# KiCad board pbx-sniffer-v2.kicad_pcb (continued)
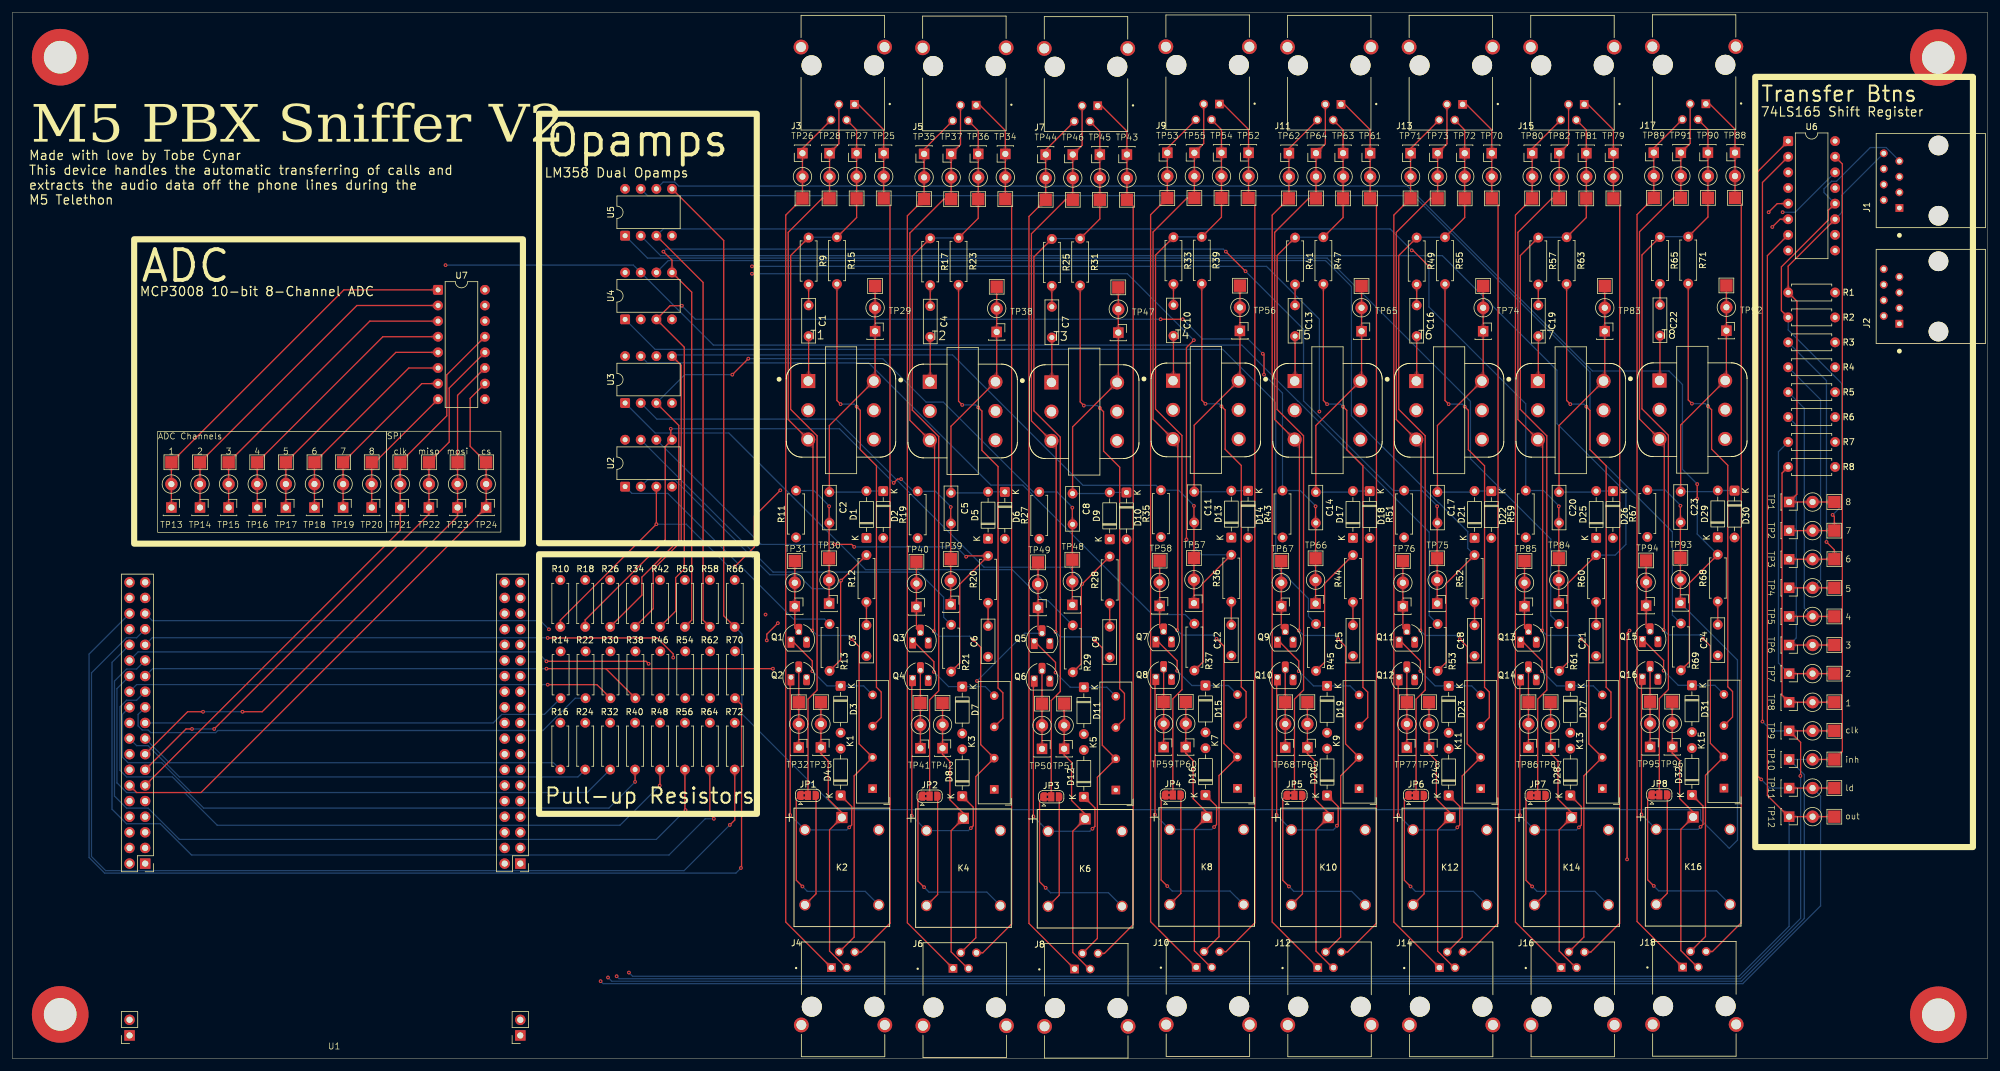
[diagram p0: board, top side]
## Library data of the parts
C1-C24 = -: Description: Unpolarized capacitor; KiLib_Generator: capacitor/THT/other; ki_fp_filters: C_*
D1-D32 = -: Datasheet: https://assets.nexperia.com/documents/data-sheet/1N4148_1N4448.pdf; Description: 100V 0.15A standard switching diode, DO-35; KiLib_Generator: diode/THT; Sim.Device: D; Sim.Pins: 1=K 2=A; ki_fp_filters: D*DO?35*
H1 H1#2-H1#4 = -: KiLib_Generator: mounting_hardware/mounting_hole
J1 J2 = -: Description: RJ connector, 8P8C (8 positions 8 connected), RJ31/RJ32/RJ33/RJ34/RJ35/RJ41/RJ45/RJ49/RJ61; DKPN: 609-1046-ND; ki_fp_filters: 8P8C* RJ31* RJ32* RJ33* RJ34* RJ35* RJ41* RJ45* RJ49* RJ61*
J3-J18 = -: Description: RJ connector, 6P4C (6 positions 4 connected), RJ13/RJ14, Shielded; DKPN: 2223-CRJ050-1-TH-ND; ki_fp_filters: 6P4C* RJ13* RJ14*
JP1-JP8 = -: Description: Jumper, 3-pole, pins 1+2 closed/bridged; ki_fp_filters: Jumper* TestPoint*3Pads* TestPoint*Bridge*
K1 K3 K5 K7 K9 K11 K13 K15 = -: Description: Relay SPST, normally open, EN50005; DKPN: 1835-1116-ND; ki_fp_filters: Relay?SPST*
K2 K4 K6 K8 K10 K12 K14 K16 = -: Datasheet: https://www.azettler.com/pdfs/az943.pdf; Description: Relay SPDT, monostable, EN50005; DKPN: 3385-AZ943-1CH-5DE-ND; ki_fp_filters: Relay?SPDT*
Q1-Q16 = -: Datasheet: https://ngspice.sourceforge.io/docs/ngspice-html-manual/manual.xhtml#cha_MOSFETs; Description: P-MOSFET transistor, drain/source/gate; Sim.Type: VDMOS; Sim.Pins: 1=D 2=G 3=S; DKPN: ZVP3306A-ND
R1-R72 = -: Description: Resistor; KiLib_Generator: resistor/THT; ki_fp_filters: R_*
T1-T8 = -: Description: Transformer, single primary, single secondary; DKPN: 237-1121-ND
TP1-TP96 = -: Description: test point; ki_fp_filters: Pin* Test*
U2-U5 = -: Datasheet: http://www.ti.com/lit/ds/symlink/lm2904-n.pdf; Description: Low-Power, Dual Operational Amplifiers, DIP-8/SOIC-8/TO-99-8; KiLib_Generator: package/DIP/legacy; ki_fp_filters: SOIC*3.9x4.9mm*P1.27mm* DIP*W7.62mm* TO*99* OnSemi*Micro8* TSSOP*3x3mm*P0.65mm* TSSOP*4.4x3mm*P0.65mm* MSOP*3x3mm*P0.65mm* SSOP*3.9x4.9mm*P0.635mm* LFCSP*2x2mm*P0.5mm* *SIP* SOIC*5.3x6.2mm*P1.27mm*
U6 = -: Datasheet: https://www.ti.com/lit/ds/symlink/sn74ls165a.pdf; Description: Shift Register 8-bit, parallel load; KiLib_Generator: package/DIP/legacy; DKPN: 296-14885-5-ND; ki_fp_filters: DIP?16* SO*16*3.9x9.9mm*P1.27mm* SSOP*16*5.3x6.2mm*P0.65mm* TSSOP*16*4.4x5mm*P0.65*
U7 = -: Datasheet: http://ww1.microchip.com/downloads/en/DeviceDoc/21295d.pdf; Description: A/D Converter, 10-Bit, 8-Channel, SPI Interface , 2.7V-5.5V; KiLib_Generator: package/DIP/legacy; DKPN: MCP3008-I/P-ND; ki_fp_filters: DIP*W7.62mm* SOIC*3.9x9.9mm*P1.27mm*

## Footprints (pads in the part's own frame, mm; a bottom-side part is the same pattern mirrored in y, then rotated)
AMPHENOL_54602-908LF
  round 3.2 hole 3.2 unplated: (-5.715,0) (5.715,0)
  rect 1.268x1.268 hole 0.76: 1(-4.445,6.35)
  round 1.268 hole 0.76: 2(-3.175,8.89) 3(-1.905,6.35) 4(-0.635,8.89) 5(0.635,6.35) 6(1.905,8.89) 7(3.175,6.35) 8(4.445,8.89)
C_Rect_L7.0mm_W2.0mm_P5.00mm
  round 1.6 hole 0.8: 1(0,0) 2(5,0)
CUI_CRJ050-1-TH
  round 3.25 hole 3.25 unplated: (-5.08,0) (5.08,0)
  rect 1.398x1.398 hole 0.89: 1(-1.905,6.35)
  round 1.398 hole 0.89: 2(-0.635,8.89) 3(0.635,6.35) 4(1.905,8.89)
  round 2.4 hole 1.6: SH(-6.785,-2.97) SH(6.785,-2.97)
D_DO-35_SOD27_P7.62mm_Horizontal
  rrect 1.6x1.6 hole 0.8: 1(0,0)
  round 1.6 hole 0.8: 2(7.62,0)
DIP-8_W7.62mm
  rrect 1.6x1.6 hole 0.8: 1(0,0)
  round 1.6 hole 0.8: 2(0,-2.54) 3(0,-5.08) 4(0,-7.62) 5(7.62,-7.62) 6(7.62,-5.08) 7(7.62,-2.54) 8(7.62,0)
DIP-16_W7.62mm
  rrect 1.6x1.6 hole 0.8: 1(0,0)
  round 1.6 hole 0.8: 2(0,-2.54) 3(0,-5.08) 4(0,-7.62) 5(0,-10.16) 6(0,-12.7) 7(0,-15.24) 8(0,-17.78) 9(7.62,-17.78) 10(7.62,-15.24) 11(7.62,-12.7) 12(7.62,-10.16) 13(7.62,-7.62) 14(7.62,-5.08) 15(7.62,-2.54) 16(7.62,0)
K_AZ943-1C_AMZ
  rect 1.803x1.803 hole 1.295: 1(0,0)
  round 1.803 hole 1.295: 2(-6,-2) 3(-6,-14.199) 4(6,-14.199) 5(6,-2)
M5_3in1_TestPoint
  rect 2x2 smd: 1(1.04,-1.04)
  round 2 hole 1: 1(1.04,-4.58)
  rect 1.7x1.7 hole 1: 1(1.04,-8.39)
MountingHole_5.3mm_M5_DIN965_Pad
  round 9.2 hole 5.3: 1(0,0)
R_Axial_DIN0207_L6.3mm_D2.5mm_P7.62mm_Horizontal
  round 1.6 hole 0.8: 1(0,0) 2(7.62,0)
Relay_SPST_StandexMeder_SIL_Form1A
  rect 1.4x1.4 hole 0.7: 1(0,0)
  round 1.4 hole 0.7: 3(5.08,0) 5(10.16,0) 7(15.24,0)
SolderJumper-3_P1.3mm_Bridged2Bar12_RoundedPad1.0x1.5mm
  custom 1.05x1.5 smd: 1(-1.3,0) 3(1.3,0)
  rect 1x1.5 smd: 2(0,0)
STM32NucleoF303RE
  rect 1.7x1.7 hole 1: 1(0,-27.94) 39(0,0) 39(63.5,0) 41(60.96,-27.94)
  round 1.7 hole 1: 2(2.54,-27.94) 3(0,-30.48) 4(2.54,-30.48) 5(0,-33.02) 6(2.54,-33.02) 7(0,-35.56) 8(2.54,-35.56) 9(0,-38.1) 10(2.54,-38.1) 11(0,-40.64) 12(2.54,-40.64) 13(0,-43.18) 14(2.54,-43.18) 15(0,-45.72) 16(2.54,-45.72) 17(0,-48.26) 18(2.54,-48.26) 19(0,-50.8) 20(2.54,-50.8) 21(0,-53.34) 22(2.54,-53.34) 23(0,-55.88) 24(2.54,-55.88) 25(0,-58.42) 26(2.54,-58.42) 27(0,-60.96) 28(2.54,-60.96) 29(0,-63.5) 30(2.54,-63.5) 31(0,-66.04) 32(2.54,-66.04) 33(0,-68.58) 34(2.54,-68.58) 35(0,-71.12) 36(2.54,-71.12) 37(0,-73.66) 38(2.54,-73.66) 40(0,-2.54) 40(63.5,-2.54) 42(63.5,-27.94) 43(60.96,-30.48) 44(63.5,-30.48) 45(60.96,-33.02) 46(63.5,-33.02) 47(60.96,-35.56) 48(63.5,-35.56) 49(60.96,-38.1) 50(63.5,-38.1) 51(60.96,-40.64) 52(63.5,-40.64) 53(60.96,-43.18) 54(63.5,-43.18) 55(60.96,-45.72) 56(63.5,-45.72) 57(60.96,-48.26) 58(63.5,-48.26) 59(60.96,-50.8) 60(63.5,-50.8) 61(60.96,-53.34) 62(63.5,-53.34) 63(60.96,-55.88) 64(63.5,-55.88) 65(60.96,-58.42) 66(63.5,-58.42) 67(60.96,-60.96) 68(63.5,-60.96) 69(60.96,-63.5) 70(63.5,-63.5) 71(60.96,-66.04) 72(63.5,-66.04) 73(60.96,-68.58) 74(63.5,-68.58) 75(60.96,-71.12) 76(63.5,-71.12) 77(60.96,-73.66) 78(63.5,-73.66)
TO-92_HandSolder
  rect 1.1x1.8 hole 0.75: 1(0,0)
  rrect 1.1x1.8 hole 0.75: 2(1.27,1.27) 3(2.54,0)
TY-145P
  rect 2.286x2.286 hole 1.524: 1(-5.334,4.75)
  round 2.286 hole 1.524: 2(-5.334,-4.75) 3(5.334,-4.75) 4(5.334,4.75) MP(-5.334,0) MP(5.334,0)

## Nets
+3V3: U1.16
+5V: J2.8 Q1.3 Q2.3 Q3.3 Q4.3 Q5.3 Q6.3 Q7.3 Q8.3 Q9.3 Q10.3 Q11.3 Q12.3 Q13.3 Q14.3 Q15.3 Q16.3 R14.1 R16.2 R22.1 R24.2 R30.1 R32.2 R38.1 R40.2 R46.1 R48.2 R54.1 R56.2 R62.1 R64.2 R70.1 R72.2 U1.18 U6.16
+5VA: R10.2 R18.2 R26.2 R34.2 R42.2 R50.2 R58.2 R66.2 U1.47 U2.8 U3.8 U4.8 U5.8 U7.15 U7.16
GND: C3.1 C6.1 C9.1 C12.1 C15.1 C18.1 C21.1 C24.1 D1.1 D2.2 D5.1 D6.2 D9.1 D10.2 D13.1 D14.2 D17.1 D18.2 D21.1 D22.2 D25.1 D26.2 D29.1 D30.2 J3.SH J5.SH J7.SH J9.SH J11.SH J13.SH J15.SH J17.SH R11.1 R19.1 R27.1 R35.1 R43.1 R51.1 R59.1 R67.1 T1.3 T2.3 T3.3 T4.3 T5.3 T6.3 T7.3 T8.3 U1.72 U2.4 U3.4 U4.4 U5.4 U7.14
GNDD: D3.2 D4.2 D7.2 D8.2 D11.2 D12.2 D15.2 D16.2 D19.2 D20.2 D23.2 D24.2 D27.2 D28.2 D31.2 D32.2 H1.1 H1#3.1 H1#4.1 J4.SH J6.SH J8.SH J10.SH J12.SH J14.SH J16.SH J18.SH K1.1 K2.5 K3.1 K4.5 K5.1 K6.5 K7.1 K8.5 K9.1 K10.5 K11.1 K12.5 K13.1 K14.5 K15.1 K16.5 R1.2 R2.2 R3.2 R4.2 R5.2 R6.2 R7.2 R8.2 U1.8 U1.19 U1.20 U1.22 U1.39 U1.40 U1.49 U1.60 U6.8 U6.10 U7.9
/ADC/adcCH1: R13.2 TP13.1 U2.1 U7.1
/ADC/adcCH2: R21.2 TP14.1 U2.7 U7.2
/ADC/adcCH3: R29.2 TP15.1 U3.1 U7.3
/ADC/adcCH4: R37.2 TP16.1 U3.7 U7.4
/ADC/adcCH5: R45.2 TP17.1 U4.1 U7.5
/ADC/adcCH6: R53.2 TP18.1 U4.7 U7.6
/ADC/adcCH7: R61.2 TP19.1 U5.1 U7.7
/ADC/adcCH8: R69.2 TP20.1 U5.7 U7.8
/LineCtrl1/LineCtrlSingle1/ampV+: C2.2 R10.1 R11.2 TP30.1 U2.3
/LineCtrl1/LineCtrlSingle1/ampV-: R12.2 R13.1 U2.2
/LineCtrl1/LineCtrlSingle2/ampV+: C5.2 R18.1 R19.2 TP39.1 U2.5
/LineCtrl1/LineCtrlSingle2/ampV-: R20.2 R21.1 U2.6
/LineCtrl2/LineCtrlSingle1/ampV+: C8.2 R26.1 R27.2 TP48.1 U3.3
/LineCtrl2/LineCtrlSingle1/ampV-: R28.2 R29.1 U3.2
/LineCtrl2/LineCtrlSingle2/ampV+: C11.2 R34.1 R35.2 TP57.1 U3.5
/LineCtrl2/LineCtrlSingle2/ampV-: R36.2 R37.1 U3.6
/LineCtrl3/LineCtrlSingle1/ampV+: C14.2 R42.1 R43.2 TP66.1 U4.3
/LineCtrl3/LineCtrlSingle1/ampV-: R44.2 R45.1 U4.2
/LineCtrl3/LineCtrlSingle2/ampV+: C17.2 R50.1 R51.2 TP75.1 U4.5
/LineCtrl3/LineCtrlSingle2/ampV-: R52.2 R53.1 U4.6
/LineCtrl4/LineCtrlSingle1/ampV+: C20.2 R58.1 R59.2 TP84.1 U5.3
/LineCtrl4/LineCtrlSingle1/ampV-: R60.2 R61.1 U5.2
/LineCtrl4/LineCtrlSingle2/ampV+: C23.2 R66.1 R67.2 TP93.1 U5.5
/LineCtrl4/LineCtrlSingle2/ampV-: R68.2 R69.1 U5.6
/lineCtrls1: Q2.2 R16.1 TP32.1 U1.57
/lineCtrls2: Q4.2 R24.1 TP41.1 U1.58
/lineCtrls3: Q1.2 R14.2 TP31.1 U1.59
/lineCtrls4: Q3.2 R22.2 TP40.1 U1.61
/lineCtrls5: Q6.2 R32.1 TP50.1 U1.62
/lineCtrls6: Q8.2 R40.1 TP59.1 U1.63
/lineCtrls7: Q5.2 R30.2 TP49.1 U1.64
/lineCtrls8: Q7.2 R38.2 TP58.1 U1.65
/lineCtrls9: Q10.2 R48.1 TP68.1 U1.66
/lineCtrls10: Q12.2 R56.1 TP77.1 U1.67
/lineCtrls11: Q9.2 R46.2 TP67.1 U1.68
/lineCtrls12: Q11.2 R54.2 TP76.1 U1.69
/lineCtrls13: Q14.2 R64.1 TP86.1 U1.70
/lineCtrls14: Q16.2 R72.1 TP95.1 U1.71
/lineCtrls15: Q13.2 R62.2 TP85.1 U1.73
/lineCtrls16: Q15.2 R70.2 TP94.1 U1.74
/SPI.spi0clk: TP21.1 U1.51 U7.13
/SPI.spi0cs0: TP24.1 U1.52 U7.10
/SPI.spi0miso: TP22.1 U1.53 U7.12
/SPI.spi0mosi: TP23.1 U1.55 U7.11
/TransferBtns/shiftClk: TP9.1 U1.2 U6.2
/TransferBtns/shiftInh: TP10.1 U1.3 U6.15
/TransferBtns/shiftLd: TP11.1 U1.4 U6.1
/TransferBtns/shiftOut: TP12.1 U1.1 U6.7
/TransferBtns/TBTN1: J1.1 R8.1 TP8.1 U6.6
/TransferBtns/TBTN2: J1.2 R7.1 TP7.1 U6.5
/TransferBtns/TBTN3: J1.3 R6.1 TP6.1 U6.4
/TransferBtns/TBTN4: J1.4 R5.1 TP5.1 U6.3
/TransferBtns/TBTN5: J1.5 R4.1 TP4.1 U6.14
/TransferBtns/TBTN6: J1.6 R3.1 TP3.1 U6.13
/TransferBtns/TBTN7: J1.7 R2.1 TP2.1 U6.12
/TransferBtns/TBTN8: J1.8 R1.1 TP1.1 U6.11
Net-(C1-Pad1): C1.1 R9.2
Net-(C3-Pad2): C3.2 R12.1
Net-(C4-Pad1): C4.1 R17.2
Net-(C6-Pad2): C6.2 R20.1
Net-(C7-Pad1): C7.1 R25.2
Net-(C9-Pad2): C9.2 R28.1
Net-(C10-Pad1): C10.1 R33.2
Net-(C12-Pad2): C12.2 R36.1
Net-(C13-Pad1): C13.1 R41.2
Net-(C15-Pad2): C15.2 R44.1
Net-(C16-Pad1): C16.1 R49.2
Net-(C18-Pad2): C18.2 R52.1
Net-(C19-Pad1): C19.1 R57.2
Net-(C21-Pad2): C21.2 R60.1
Net-(C22-Pad1): C22.1 R65.2
Net-(C24-Pad2): C24.2 R68.1
Net-(D1-A): C2.1 D1.2 D2.1 T1.4 TP29.1
Net-(D3-K): D3.1 K1.7 Q1.1
Net-(D4-K): D4.1 K2.2 Q2.1
Net-(D5-A): C5.1 D5.2 D6.1 T2.4 TP38.1
Net-(D7-K): D7.1 K3.7 Q3.1
Net-(D8-K): D8.1 K4.2 Q4.1
Net-(D10-K): C8.1 D9.2 D10.1 T3.4 TP47.1
Net-(D11-K): D11.1 K5.7 Q5.1
Net-(D12-K): D12.1 K6.2 Q6.1
Net-(D13-A): C11.1 D13.2 D14.1 T4.4 TP56.1
Net-(D15-K): D15.1 K7.7 Q7.1
Net-(D16-K): D16.1 K8.2 Q8.1
Net-(D17-A): C14.1 D17.2 D18.1 T5.4 TP65.1
Net-(D19-K): D19.1 K9.7 Q9.1
Net-(D20-K): D20.1 K10.2 Q10.1
Net-(D21-A): C17.1 D21.2 D22.1 T6.4 TP74.1
Net-(D23-K): D23.1 K11.7 Q11.1
Net-(D24-K): D24.1 K12.2 Q12.1
Net-(D25-A): C20.1 D25.2 D26.1 T7.4 TP83.1
Net-(D27-K): D27.1 K13.7 Q13.1
Net-(D28-K): D28.1 K14.2 Q14.1
Net-(D29-A): C23.1 D29.2 D30.1 T8.4 TP92.1
Net-(D31-K): D31.1 K15.7 Q15.1
Net-(D32-K): D32.1 K16.2 Q16.1
Net-(J3-Pad1): J3.1 J4.4 TP25.1
Net-(J3-Pad4): J3.4 J4.1 TP26.1
Net-(J4-Pad3): J4.3 K2.1 TP33.1
Net-(J5-Pad1): J5.1 J6.4 TP34.1
Net-(J5-Pad4): J5.4 J6.1 TP35.1
Net-(J6-Pad3): J6.3 K4.1 TP42.1
Net-(J7-Pad1): J7.1 J8.4 TP43.1
Net-(J7-Pad4): J7.4 J8.1 TP44.1
Net-(J8-Pad3): J8.3 K6.1 TP51.1
Net-(J10-Pad1): J9.4 J10.1 TP53.1
Net-(J10-Pad3): J10.3 K8.1 TP60.1
Net-(J10-Pad4): J9.1 J10.4 TP52.1
Net-(J11-Pad1): J11.1 J12.4 TP61.1
Net-(J11-Pad4): J11.4 J12.1 TP62.1
Net-(J12-Pad3): J12.3 K10.1 TP69.1
Net-(J13-Pad1): J13.1 J14.4 TP70.1
Net-(J13-Pad4): J13.4 J14.1 TP71.1
Net-(J14-Pad3): J14.3 K12.1 TP78.1
Net-(J15-Pad1): J15.1 J16.4 TP79.1
Net-(J15-Pad4): J15.4 J16.1 TP80.1
Net-(J16-Pad3): J16.3 K14.1 TP87.1
Net-(J17-Pad1): J17.1 J18.4 TP88.1
Net-(J17-Pad4): J17.4 J18.1 TP89.1
Net-(J18-Pad3): J18.3 K16.1 TP96.1
Net-(JP1-A): JP1.1 K2.4
Net-(JP1-B): JP1.3 K2.3
Net-(JP1-C): J3.2 JP1.2 R9.1 R15.1 TP27.1
Net-(JP2-A): JP2.1 K4.4
Net-(JP2-B): JP2.3 K4.3
Net-(JP2-C): J5.2 JP2.2 R17.1 R23.1 TP36.1
Net-(JP3-A): JP3.1 K6.4
Net-(JP3-B): JP3.3 K6.3
Net-(JP3-C): J7.2 JP3.2 R25.1 R31.1 TP45.1
Net-(JP4-A): JP4.1 K8.4
Net-(JP4-B): JP4.3 K8.3
Net-(JP4-C): J9.2 JP4.2 R33.1 R39.1 TP54.1
Net-(JP5-A): JP5.1 K10.4
Net-(JP5-B): JP5.3 K10.3
Net-(JP5-C): J11.2 JP5.2 R41.1 R47.1 TP63.1
Net-(JP6-A): JP6.1 K12.4
Net-(JP6-B): JP6.3 K12.3
Net-(JP6-C): J13.2 JP6.2 R49.1 R55.1 TP72.1
Net-(JP7-A): JP7.1 K14.4
Net-(JP7-B): JP7.3 K14.3
Net-(JP7-C): J15.2 JP7.2 R57.1 R63.1 TP81.1
Net-(JP8-A): JP8.1 K16.4
Net-(JP8-B): JP8.3 K16.3
Net-(JP8-C): J17.2 JP8.2 R65.1 R71.1 TP90.1
Net-(K1-Pad5): K1.5 R15.2
Net-(K3-Pad5): K3.5 R23.2
Net-(K5-Pad5): K5.5 R31.2
Net-(K7-Pad5): K7.5 R39.2
Net-(K9-Pad5): K9.5 R47.2
Net-(K11-Pad5): K11.5 R55.2
Net-(K13-Pad5): K13.5 R63.2
Net-(K15-Pad5): K15.5 R71.2
Net-(T1-AA): C1.2 T1.1
Net-(T1-AB): J3.3 J4.2 K1.3 T1.2 TP28.1
Net-(T2-AA): C4.2 T2.1
Net-(T2-AB): J5.3 J6.2 K3.3 T2.2 TP37.1
Net-(T3-AA): C7.2 T3.1
Net-(T3-AB): J7.3 J8.2 K5.3 T3.2 TP46.1
Net-(T4-AA): C10.2 T4.1
Net-(T4-AB): J9.3 J10.2 K7.3 T4.2 TP55.1
Net-(T5-AA): C13.2 T5.1
Net-(T5-AB): J11.3 J12.2 K9.3 T5.2 TP64.1
Net-(T6-AA): C16.2 T6.1
Net-(T6-AB): J13.3 J14.2 K11.3 T6.2 TP73.1
Net-(T7-AA): C19.2 T7.1
Net-(T7-AB): J15.3 J16.2 K13.3 T7.2 TP82.1
Net-(T8-AA): C22.2 T8.1
Net-(T8-AB): J17.3 J18.2 K15.3 T8.2 TP91.1

Pads without a net: H1#2 1; J2 1 2 3 4 5 6 7; T1 MP; T2 MP; T3 MP; T4 MP; T5 MP; T6 MP; T7 MP; T8 MP; U1 5 6 7 9 10 11 12 13 14 15 17 21 23 24 25 26 27 28 29 30 31 32 33 34 35 36 37 38 41 42 43 44 45 46 48 50 54 56 75 76 77 78; U6 9

## Via types
v1: diameter 0.6, hole 0.3, Top to Bottom, 139 vias

## Routing (per net, layer and track width the routed paths; a pad name or vN(x,y) marks a point on that pad's centre or on a via; arc(x,y) is an arc through that point)
/ADC/adcCH1: length 155.3
  Top w0.2: U7.1 53.88,124.98 TP13.1 TP13.1
  In1.Cu w0.2: U2.1 89.45,92.99 75.7,106.74 75.7,118.46 U7.1
  Bottom w0.2: U2.1 100.68,91.89 106.52,91.89 126.95,71.46 132,71.46 R13.2
/ADC/adcCH2: length 170.3
  Top w0.2: U7.2 55.99,122.44 TP14.1 TP14.1
  In1.Cu w0.2: U2.7 102.12,101.28 77.32,126.08 68.4,126.08 68.08,125.76 68.08,123.54 U7.2
  Bottom w0.2: U2.7 123.64,79.1 147.26,79.1 151.34,75.02 151.34,71.76 R21.2
/ADC/adcCH3: length 185.6
  Top w0.2: TP15.1 TP15.1 58.1,119.9 U7.3
  In1.Cu w0.2: U3.1 79.69,126.48 68.23,126.48 67.68,125.93 67.68,121.4 U7.3
  Bottom w0.2: U3.1 104.46,101.71 116.44,101.71 138.66,79.5 162.48,79.5 167.5,74.48 168.28,74.48 R29.2
/ADC/adcCH4: length 203.1
  Top w0.2: U7.4 60.21,117.36 TP16.1 TP16.1
  In1.Cu w0.2: U3.7 89.45,126.88 68.06,126.88 67.28,126.1 67.28,119.26 U7.4
  Bottom w0.2: U3.7 103.22,113.11 139.17,113.11 159.03,93.24 164.22,93.24 185.26,72.2 190.6,72.2 R37.2
/ADC/adcCH5: length 238
  Top w0.2: TP17.1 TP17.1 62.32,114.82 U7.5
  In1.Cu w0.2: U7.5 66.88,117.12 66.88,126.26 67.9,127.28 92.49,127.28 U4.1
  Bottom w0.2: U4.1 104.46,115.31 196.69,115.31 205.31,106.69 205.31,80.1 210.63,74.78 210.63,71.88 R45.2
/ADC/adcCH6: length 247.4
  Top w0.2: U7.6 64.43,112.28 TP18.1 TP18.1
  In1.Cu w0.2: v1(70.4,129) 69.05,129 66.48,126.43 66.48,114.98 U7.6
  Bottom w0.2: R53.2 230.24,72.03 230.24,85.59 208.98,106.85 208.95,106.85 199.8,116 113.93,116 U4.7 100.93,129 v1(70.4,129)
/ADC/adcCH7: length 273.4
  Top w0.2: U7.7 66.54,109.74 TP19.1 TP19.1
  In1.Cu w0.2: U5.1 73.27,133.78 66.08,126.59 66.08,112.84 U7.7
  Bottom w0.2: R61.2 250,72.03 250,84.48 236.95,97.53 236.95,106.85 213.66,130.14 103.22,130.14 U5.1
/ADC/adcCH8: length 300.4
  Top w0.2: TP20.1 TP20.1 58.93,96.95 U7.8
  In1.Cu w0.2: U5.7 101.02,142.5 81.42,142.5 65.68,126.76 65.68,110.7 U7.8
  Bottom w0.2: R69.2 269.77,72.12 269.77,85.63 256.38,99.02 256.38,111.62 227.7,140.3 103.22,140.3 U5.7
/LineCtrl1/LineCtrlSingle1/ampV+: length 85.2
  Top w0.2: R10.1 89.05,71.28 104.59,86.81 v1(104.66,86.89) U2.3 ; v1(124.8,92.4) 120.6,88.2 120.6,83.2 v1(117.4,80) ; v1(132.73,89.8) TP30.1
  In2.Cu w0.2: R11.2 124.85,92.35 v1(124.8,92.4)
  Bottom w0.2: v1(132.73,89.8) 132.73,89.87 130.25,92.35 R11.2 ; v1(104.66,86.89) 109.51,86.89 116.4,80 v1(117.4,80)
/LineCtrl1/LineCtrlSingle1/ampV-: length 62.2
  Top w0.2: R13.1 134.6,64.84 134.6,77.66 v1(134.67,77.73) R12.2
  Bottom w0.2: v1(134.67,77.73) 133.34,76.4 129.96,76.4 127.69,78.66 123.09,78.66 107.66,94.09 103.22,94.09 U2.2
/LineCtrl1/LineCtrlSingle2/ampV+: length 105.3
  Top w0.2: v1(143.22,93.6) 143.85,94.22 v1(144.42,94.22) ; R18.1 93.1,71.33 106.1,84.33 106.1,99.51 U2.5 107,100.81 v1(107,102.4) ; v1(152.49,89.68) TP39.1
  Bottom w0.2: v1(144.42,94.22) 146.41,92.23 R19.2 150.01,92.23 152.49,89.75 v1(152.49,89.68) ; v1(107,102.4) 134.42,102.4 v1(143.22,93.6)
/LineCtrl1/LineCtrlSingle2/ampV-: length 83.1
  Top w0.2: R21.1 153.96,64.32 153.96,77.14 R20.2 155.14,81.74 v1(155,81.6) ; v1(133.6,83.6) 136.4,83.6 v1(136.8,83.2)
  Bottom w0.2: v1(136.8,83.2) 153.4,83.2 v1(155,81.6) ; U2.6 121.68,83.6 v1(133.6,83.6)
/LineCtrl2/LineCtrlSingle1/ampV+: length 139
  Top w0.2: v1(119.6,113.8) v1(117,111.2) ; v1(172.25,89.58) TP48.1 ; U3.3 108.3,102.95 108.3,84.28 102.3,78.28 102.3,75.35 R26.1
  Bottom w0.2: v1(117,111.2) 109.27,111.2 U3.3 ; v1(172.25,89.58) 172.25,89.65 169.77,92.13 R27.2 165.89,92.13 151.29,106.73 148.5,106.73 141.43,113.8 v1(119.6,113.8)
/LineCtrl2/LineCtrlSingle1/ampV-: length 105.6
  Top w0.2: R28.2 v1(173.85,77.15) 173.73,77.03 173.73,64.21 R29.1
  Bottom w0.2: U3.2 104.75,103.96 133.83,103.96 157.9,79.9 171.77,79.9 173.85,77.82 v1(173.85,77.15)
/LineCtrl2/LineCtrlSingle2/ampV+: length 158.7
  Top w0.2: R34.1 104.15,73.15 104.15,79.56 108.7,84.11 108.7,112.71 U3.5 ; v1(192.02,89.86) TP57.1
  Bottom w0.2: U3.5 107.39,114.4 152.8,114.4 173.99,93.21 185.84,93.21 R35.2 189.53,92.41 192.02,89.93 v1(192.02,89.86)
/LineCtrl2/LineCtrlSingle2/ampV-: length 159.9
  Top w0.2: R36.2 193.49,77.31 193.49,64.49 R37.1 ; v1(192,116.8) 190.8,115.6 v1(190.8,84.4)
  In1.Cu w0.2: U3.6 118.05,127.6 v1(120.2,127.6)
  Bottom w0.2: v1(192,116.8) 181.2,127.6 v1(120.2,127.6) ; v1(190.8,84.4) 193.29,81.91 R36.2
/LineCtrl3/LineCtrlSingle1/ampV+: length 202.1
  Top w0.2: R42.1 107.8,72.75 107.8,77 107.84,77 107.8,77.04 107.8,78.2 109.2,79.6 109.2,115.64 U4.3 106.88,122.4 v1(108.8,122.4) ; v1(203.4,111.2) 203.4,114.4 v1(203.2,114.6) ; v1(190.2,120.2) v1(186.6,120.2) ; v1(211.78,89.8) TP66.1
  Bottom w0.2: v1(211.78,89.8) 211.78,89.87 209.3,92.35 R43.2 206.41,108.19 v1(203.4,111.2) ; v1(190.2,120.2) 193.4,117 200.8,117 v1(203.2,114.6) ; v1(108.8,122.4) 111,120.2 v1(186.6,120.2)
/LineCtrl3/LineCtrlSingle1/ampV-: length 179.3
  Top w0.2: R44.2 213.25,77.26 213.25,64.44 R45.1
  In1.Cu w0.2: v1(212.4,105.2) 216.75,100.85 216.75,82.96 R44.2 ; U4.2 110.74,128.8 v1(120.2,128.8)
  Bottom w0.2: v1(212.4,105.2) 212.4,120.2 203.8,128.8 v1(120.2,128.8)
/LineCtrl3/LineCtrlSingle2/ampV+: length 229.3
  Top w0.2: R50.1 110.4,71.3 110.4,124.6 U4.5 107.2,129.8 v1(105.8,131.2) ; v1(200.4,128) v1(197.2,131.2) ; v1(231.54,89.8) TP75.1
  Bottom w0.2: v1(231.54,89.8) 231.54,89.87 229.06,92.35 R51.2 224.4,92.35 209.83,106.93 209.83,118.57 v1(200.4,128) ; v1(197.2,131.2) 196.8,131.6 106.2,131.6 v1(105.8,131.2)
/LineCtrl3/LineCtrlSingle2/ampV-: length 188.8
  Top w0.2: R52.2 233.01,77.26 233.01,64.44 R53.1
  Bottom w0.2: R52.2 236.51,82.96 236.51,85.68 231.79,90.4 231.72,90.4 217.61,104.51 217.61,125.53 213.4,129.74 106.59,129.74 U4.6
/LineCtrl4/LineCtrlSingle1/ampV+: length 260.9
  Top w0.2: v1(230.2,128.8) 227.6,131.4 v1(227.4,131.4) ; v1(251.3,89.8) TP84.1 ; U5.3 112.25,126.19 112.25,71.3 R58.1
  Bottom w0.2: v1(227.4,131.4) 223.92,134.88 105.76,134.88 U5.3 ; v1(251.3,89.8) 251.3,89.87 248.82,92.35 R59.2 245.93,106.47 230.2,122.2 v1(230.2,128.8)
/LineCtrl4/LineCtrlSingle1/ampV-: length 217.7
  Top w0.2: R61.1 252.78,64.44 252.78,77.26 R60.2
  Bottom w0.2: R60.2 260.46,81.86 262.2,83.6 262.2,92.05 251,103.25 251,111.92 232.38,130.54 105.36,130.54 U5.2
/LineCtrl4/LineCtrlSingle2/ampV+: length 327.1
  Top w0.2: R66.1 115.6,72 115.6,133 U5.5 ; v1(271.07,89.89) TP93.1
  Bottom w0.2: R66.1 118.55,69.05 118.55,56.05 134.11,40.49 274.34,40.49 274.34,38.86 279,34.2 280.34,35.54 280.34,64.8 TP93.1 ; v1(271.07,89.89) 271.07,89.96 268.58,92.44 R67.2
/LineCtrl4/LineCtrlSingle2/ampV-: length 232.2
  Top w0.2: R68.2 272.54,77.34 272.54,64.52 R69.1 ; v1(273.8,91) v1(273.8,93.4)
  Bottom w0.2: U5.6 105.76,142.5 107.66,142.5 108.3,141.86 226.71,141.86 256.78,111.79 269.21,111.79 271.4,109.6 271.4,95.8 v1(273.8,93.4) ; v1(273.8,91) 273.8,85.28 R68.2
/lineCtrls1: length 122.5
  Top w0.2: Q2.2 127.8,63.27 TP32.1
  In2.Cu w0.2: TP32.1 92.64,50.59 R16.1
  Bottom w0.2: R16.1 87.94,48.11 25.52,48.11 U1.57
/lineCtrls2: length 146.2
  Top w0.2: TP41.1 147.56,63.15 Q4.2
  In2.Cu w0.2: TP41.1 145.07,47.98 139.39,47.98 138.8,48.56 94.66,48.56 R24.1
  Bottom w0.2: U1.58 20.2,50.89 22.07,50.89 27.16,45.8 91.9,45.8 R24.1
/lineCtrls3: length 130.8
  Top w0.2: Q1.2 127.16,70.03 TP31.1 TP31.1
  In2.Cu w0.2: Q1.2 127.33,68.91 89.51,68.91 88,67.4 88,59.7 R14.2
  Bottom w0.2: R14.2 86.47,55.97 79.53,55.97 78.14,54.58 U1.59
/lineCtrls4: length 149.6
  Top w0.2: TP40.1 TP40.1 146.92,69.91 Q3.2
  In2.Cu w0.2: R22.2 94.25,59.7 131.49,59.7 141.05,69.26 Q3.2
  Bottom w0.2: R22.2 91.47,58.6 86.23,53.35 33.4,53.35 33.05,53 22.5,53 22.07,53.43 21.11,53.43 20.44,54.1 20.44,55.97 U1.61
/lineCtrls5: length 176.9
  Top w0.2: Q6.2 167.33,63.04 TP50.1
  In2.Cu w0.2: TP50.1 162.86,45.9 98.25,45.9 R32.1
  Bottom w0.2: U1.62 17.9,55.97 17.9,49.02 18.81,48.11 24.28,48.11 29.12,43.27 93.42,43.27 R32.1
/lineCtrls6: length 206.3
  Top w0.2: Q8.2 187.09,63.33 TP59.1 ; v1(101.2,45) R40.1
  In2.Cu w0.2: TP59.1 181.44,45 v1(101.2,45)
  Bottom w0.2: v1(101.2,45) 96.93,40.73 31.09,40.73 26.01,45.81 18.57,45.81 17.5,46.88 17.5,57.2 18.57,58.27 20.2,58.27 U1.63
/lineCtrls7: length 167.4
  Top w0.2: R30.2 95,60.8 v1(87,60.8) ; TP49.1 TP49.1 166.68,69.8 Q5.2
  In2.Cu w0.2: v1(156.76,61.4) 156.76,60.26 154,57.5 98.3,57.5 R30.2 ; 86.99,60.81 v1(87,60.8)
  Bottom w0.2: Q5.2 164.52,69.16 v1(156.76,61.4) ; 86.99,60.81 20.2,60.81 U1.64
/lineCtrls8: length 188.9
  Top w0.2: TP58.1 TP58.1 186.44,70.08 Q7.2 ; v1(86.8,63.4) 96.45,63.4 ; 96.45,63.4 v1(123.6,63.4) ; 96.45,63.4 R38.2
  In2.Cu w0.2: v1(123.6,63.4) 125.07,64.87 136.06,64.87 142.82,71.64 184.89,71.64 Q7.2
  Bottom w0.2: U1.65 22.79,63.4 v1(86.8,63.4)
/lineCtrls9: length 234.4
  Top w0.2: v1(105.2,44.4) 105.25,44.45 R48.1 ; TP68.1 206.85,63.27 Q10.2
  In2.Cu w0.2: TP68.1 206.85,49.72 198.53,41.4 108.2,41.4 v1(105.2,44.4)
  Bottom w0.2: U1.66 17,60.15 17,44.84 18.57,43.27 27.99,43.27 33.31,37.95 98.75,37.95 v1(105.2,44.4)
/lineCtrls10: length 264.6
  Top w0.2: TP77.1 226.61,63.27 Q12.2 ; R56.1 109.3,40.5 v1(109.4,40.4)
  In2.Cu w0.2: TP77.1 223.54,50.59 213.41,40.46 109.46,40.46 v1(109.4,40.4)
  Bottom w0.2: 108.6,39.6 v1(109.4,40.4) 104.65,35.65 27.15,35.65 22.07,40.73 18.57,40.73 16.6,42.7 16.6,61.38 18.57,63.35 20.2,63.35 U1.67
/lineCtrls11: length 210.6
  Top w0.2: Q9.2 206.21,70.03 TP67.1 TP67.1 ; v1(86.8,64.6) 103,64.6 v1(103.4,64.2)
  In1.Cu w0.2: v1(103.4,64.2) 105.3,62.3 R46.2
  In2.Cu w0.2: TP67.1 204.83,72.18 138.97,72.18 133.19,66.4 126.03,66.4 123.83,64.2 v1(103.4,64.2)
  Bottom w0.2: v1(86.8,64.6) 85.27,66.13 20.44,66.13 U1.68
/lineCtrls12: length 231.4
  Top w0.2: v1(87,68.4) 104.8,68.4 107.4,65.8 v1(107.4,65.2) ; Q11.2 225.97,70.03 TP76.1 TP76.1 ; v1(124.4,70.8) 122.6,69 v1(122.6,68)
  In1.Cu w0.2: v1(107.4,65.2) 107.4,65 109.35,63.05 R54.2
  In2.Cu w0.2: v1(107.4,65.2) 107.48,65.12 119.72,65.12 v1(122.6,68) ; v1(124.4,70.8) 125.36,71.76 137.98,71.76 141.62,75.39 224.13,75.39 TP76.1 ; 86.97,68.43 v1(87,68.4)
  Bottom w0.2: U1.69 22.74,68.43 86.97,68.43
/lineCtrls13: length 302.7
  Top w0.2: Q14.2 246.38,63.27 TP86.1 ; v1(114,39) 114,39.1 113.35,39.75 R64.1
  In2.Cu w0.2: TP86.1 246.38,47.78 243.4,44.8 243.4,37.6 241.8,36 194.94,36 191.88,39.06 178.05,39.06 175.77,36.78 174.12,36.78 172.12,38.78 157.91,38.78 156.01,36.88 154.36,36.88 152.36,38.88 138.13,38.88 136.25,37 134.6,37 132.6,39 v1(114,39)
  Bottom w0.2: v1(114,39) 112.6,39 106.71,33.11 29.12,33.11 24.04,38.19 18.57,38.19 16.2,40.56 16.2,64.43 U1.70
/lineCtrls14: length 337.3
  Top w0.2: Q16.2 266.14,63.36 TP95.1 ; R72.1 117.4,38.8 v1(116.6,38)
  In2.Cu w0.2: TP95.1 266.14,38.74 261,33.6 261,33.2 121.4,33.2 v1(116.6,38)
  Bottom w0.2: v1(116.6,38) 109.17,30.57 15.17,30.57 12.87,32.87 12.87,62.73 18.57,68.43 20.2,68.43 U1.71
/lineCtrls15: length 251.4
  Top w0.2: Q13.2 245.73,70.03 TP85.1 TP85.1
  In1.Cu w0.2: 113.4,60.4 R62.2 ; 113.4,60.4 122.4,69.4 v1(122.4,72.2) ; 113.4,60.4 104.7,69.1 87.9,69.1 v1(87.2,69.8)
  In2.Cu w0.2: TP85.1 244.16,75.79 125.99,75.79 v1(122.4,72.2)
  Bottom w0.2: U1.73 22.74,71.21 85.79,71.21 v1(87.2,69.8)
/lineCtrls16: length 374.9
  Top w0.2: v1(118.4,31) 118.5,31.1 118.5,57.55 R70.2 ; TP94.1 TP94.1 265.49,70.11 Q15.2 ; v1(262.4,32.4) 262.4,69.2 v1(262.8,69.6)
  In2.Cu w0.2: Q15.2 266.01,69.6 v1(262.8,69.6) ; v1(118.4,31) 261,31 v1(262.4,32.4)
  Bottom w0.2: U1.74 12.47,65.78 12.47,32.7 15,30.17 117.57,30.17 v1(118.4,31)
/SPI.spi0clk: length 103.2
  Top w0.2: TP21.1 TP21.1 ; TP21.1 63.05,85.88 U1.51 ; TP21.1 70.6,104.5 70.6,111.16 U7.13
/SPI.spi0cs0: length 99.8
  Top w0.2: U1.52 20.2,43.27 30.67,43.27 TP24.1 TP24.1 74.4,99.55 74.4,107.34 U7.10
/SPI.spi0miso: length 93.4
  Top w0.2: v1(29.2,53.6) 28.23,53.6 U1.53 ; U7.12 71,109.02 71,100.25 TP22.1 TP22.1 67.7,88.5 v1(32.8,53.6)
  Bottom w0.2: v1(29.2,53.6) v1(32.8,53.6)
/SPI.spi0mosi: length 92.7
  Top w0.2: v1(37.4,56.4) 40.6,56.4 72.35,88.15 TP23.1 TP23.1 72.35,107.83 U7.11 ; U1.55 28.49,56.4 v1(31,56.4)
  Bottom w0.2: v1(31,56.4) v1(37.4,56.4)
/TransferBtns/shiftClk: length 359.6
  Top w0.2: TP9.1 TP9.1 290.6,51.43 290.6,46 v1(290.56,45.96) ; v1(284.4,54.8) 284.4,142.44 U6.2
  In1.Cu w0.2: v1(98.2,13.4) 98.2,13.53 U1.2
  Bottom w0.2: v1(98.2,13.4) 98.6,13 280.8,13 290.6,22.8 290.6,45.93 v1(290.56,45.96) ; v1(284.4,54.8) 285.91,53.29 TP9.1
/TransferBtns/shiftInh: length 363.1
  Top w0.2: U6.15 297.38,145.44 297.38,49.94 TP10.1 TP10.1
  In1.Cu w0.2: U1.3 81.29,33 79.66,33 78.86,32.2 78.86,31.14 v1(96.8,13.2)
  Bottom w0.2: TP10.1 TP10.1 291.2,46.18 291.2,22.8 281,12.6 97.4,12.6 v1(96.8,13.2)
/TransferBtns/shiftLd: length 371.3
  Top w0.2: U6.1 283.6,144.18 283.6,46 v1(284.2,45.4) ; TP11.1 TP11.1 TP11.1
  In1.Cu w0.2: U1.4 78.46,32.71 78.46,29.74 v1(95.6,12.6)
  Bottom w0.2: v1(284.2,45.4) 285.61,43.99 TP11.1 ; TP11.1 293.84,42.69 293.84,24.84 281.2,12.2 96,12.2 v1(95.6,12.6)
/TransferBtns/shiftOut: length 339.8
  Top w0.2: U6.7 285.2,130.54 285.2,42.8 288.66,39.34 TP12.1 TP12.1
  In1.Cu w0.2: v1(100.2,14) 100.2,14.07 U1.1
  Bottom w0.2: TP12.1 288.73,21.53 280.6,13.4 100.8,13.4 v1(100.2,14)
/TransferBtns/TBTN1: length 112.4
  Top w0.2: R8.1 287.58,95.2 287.58,59.09 TP8.1 TP8.1 ; v1(286,135.2) 287.26,136.46 U6.6
  In1.Cu w0.2: J1.1 301.18,132.82 292.22,132.82 U6.6
  In2.Cu w0.2: R8.1 289.68,97.3 289.68,101.1 286,104.78 v1(286,135.2)
/TransferBtns/TBTN2: length 107.6
  Top w0.2: TP7.1 TP7.1 ; U6.5 286.8,139 v1(285.4,137.6)
  In1.Cu w0.2: U6.5 292.22,135.36 299.91,135.36 J1.2
  In2.Cu w0.2: R7.1 285.4,103.43 v1(285.4,137.6)
  Bottom w0.2: TP7.1 287,64.33 287,98.67 R7.1
/TransferBtns/TBTN3: length 113.8
  Top w0.2: TP6.1 TP6.1
  In1.Cu w0.2: U6.4 292.22,137.9 300.48,137.9 303.41,140.83 J1.3
  In2.Cu w0.2: U6.4 289.68,142.64 289.68,144.54 289.04,145.18 288.12,145.18 286.68,143.74 286.68,106.2 R6.1
  Bottom w0.2: R6.1 289.88,103 289.88,68.39 TP6.1
/TransferBtns/TBTN4: length 100.1
  Top w0.2: TP5.1 TP5.1
  In1.Cu w0.2: J1.4 302.45,140.44 292.22,140.44 U6.3
  In2.Cu w0.2: U6.3 287.08,142.58 287.08,109.85 R5.1
  Bottom w0.2: TP5.1 291.2,73.24 291.2,105.73 R5.1
/TransferBtns/TBTN5: length 95.4
  Top w0.2: TP4.1 TP4.1
  In1.Cu w0.2: U6.14 297.7,145.58 305.34,145.58 306.65,144.27 J1.5
  In2.Cu w0.2: v1(287.68,137.6) 287.6,137.6 287.48,137.48 287.48,113.5 R4.1
  Bottom w0.2: TP4.1 293.84,77.84 293.84,107.14 R4.1 ; U6.14 289.72,137.6 v1(287.68,137.6)
/TransferBtns/TBTN6: length 86.9
  Top w0.2: v1(294.8,84) 296.08,82.72 TP3.1 TP3.1
  In1.Cu w0.2: J1.6 299.3,144.64 U6.13
  In2.Cu w0.2: U6.13 299.8,137.94 299.8,126.4 289.85,116.45 R3.1
  Bottom w0.2: R3.1 294.8,110.23 v1(294.8,84)
/TransferBtns/TBTN7: length 88
  Top w0.2: TP2.1 TP2.1 296.08,88.12 v1(295.8,88.4) ; R2.1 287.48,121.6 287.48,128.72 295.1,136.34 295.1,137.9 U6.12
  Bottom w0.2: R2.1 288.58,118.46 297.3,109.74 297.3,89.9 v1(295.8,88.4) ; U6.12 294.4,140.8 294.4,141.4 295.64,142.64 296.44,142.64 301.92,148.12 304.5,148.12 306.65,145.96 J1.7
/TransferBtns/TBTN8: length 71.6
  Top w0.2: U6.11 288.58,128.84 R1.1 290,123.13 290,91.76 TP1.1 TP1.1
  Bottom w0.2: J1.8 297.3,140.37 297.3,137.56 U6.11
Net-(C1-Pad1): length 3.4
  Top w0.2: R9.2 C1.1
Net-(C3-Pad2): length 3.8
  Top w0.2: R12.1 C3.2
Net-(C4-Pad1): length 3.4
  Top w0.2: R17.2 C4.1
Net-(C6-Pad2): length 3.8
  Top w0.2: R20.1 C6.2
Net-(C7-Pad1): length 3.4
  Top w0.2: R25.2 C7.1
Net-(C9-Pad2): length 3.8
  Top w0.2: R28.1 C9.2
Net-(C10-Pad1): length 3.4
  Top w0.2: R33.2 C10.1
Net-(C12-Pad2): length 3.8
  Top w0.2: R36.1 C12.2
Net-(C13-Pad1): length 3.4
  Top w0.2: R41.2 C13.1
Net-(C15-Pad2): length 3.8
  Top w0.2: R44.1 C15.2
Net-(C16-Pad1): length 3.4
  Top w0.2: R49.2 C16.1
Net-(C18-Pad2): length 3.8
  Top w0.2: R52.1 C18.2
Net-(C19-Pad1): length 3.4
  Top w0.2: R57.2 C19.1
Net-(C21-Pad2): length 3.8
  Top w0.2: R60.1 C21.2
Net-(C22-Pad1): length 3.4
  Top w0.2: R65.2 C22.1
Net-(C24-Pad2): length 3.8
  Top w0.2: R68.1 C24.2
Net-(D1-A): length 45.4
  Top w0.2: TP29.1 TP29.1 140.2,110.36 T1.4 132.77,102.93 C2.1
  Bottom w0.2: C2.1 138.62,92.09 D1.2 141.51,92.28
Net-(D3-K): length 17.9
  Top w0.2: Q1.1 130,64.64 v1(130,63)
  Bottom w0.2: K1.7 138.33,60.61 D3.1 132.39,60.61 v1(130,63)
Net-(D4-K): length 39.3
  Top w0.2: v1(126.4,39.6) 126.4,61.87 Q2.1 ; v1(136,37.6) 136.4,38 136.4,40.99 D4.1
  Bottom w0.2: v1(126.4,39.6) K2.2 135.6,37.2 v1(136,37.6)
Net-(D5-A): length 45.4
  Top w0.2: TP38.1 TP38.1 159.96,110.24 T2.4 152.53,102.81 C5.1
  Bottom w0.2: 161.27,92.16 D5.2 158.38,91.97 C5.1
Net-(D7-K): length 17.9
  Top w0.2: Q3.1 149.76,64.52 v1(149.76,62.88)
  Bottom w0.2: K3.7 158.09,60.49 D7.1 152.15,60.49 v1(149.76,62.88)
Net-(D8-K): length 39.3
  Top w0.2: v1(155.76,37.48) 156.16,37.88 156.16,40.87 D8.1 ; Q4.1 146.16,61.75 v1(146.16,39.48)
  Bottom w0.2: v1(146.16,39.48) K4.2 155.36,37.08 v1(155.76,37.48)
